# KiCad board espiff_v3_1.kicad_pcb (continued)
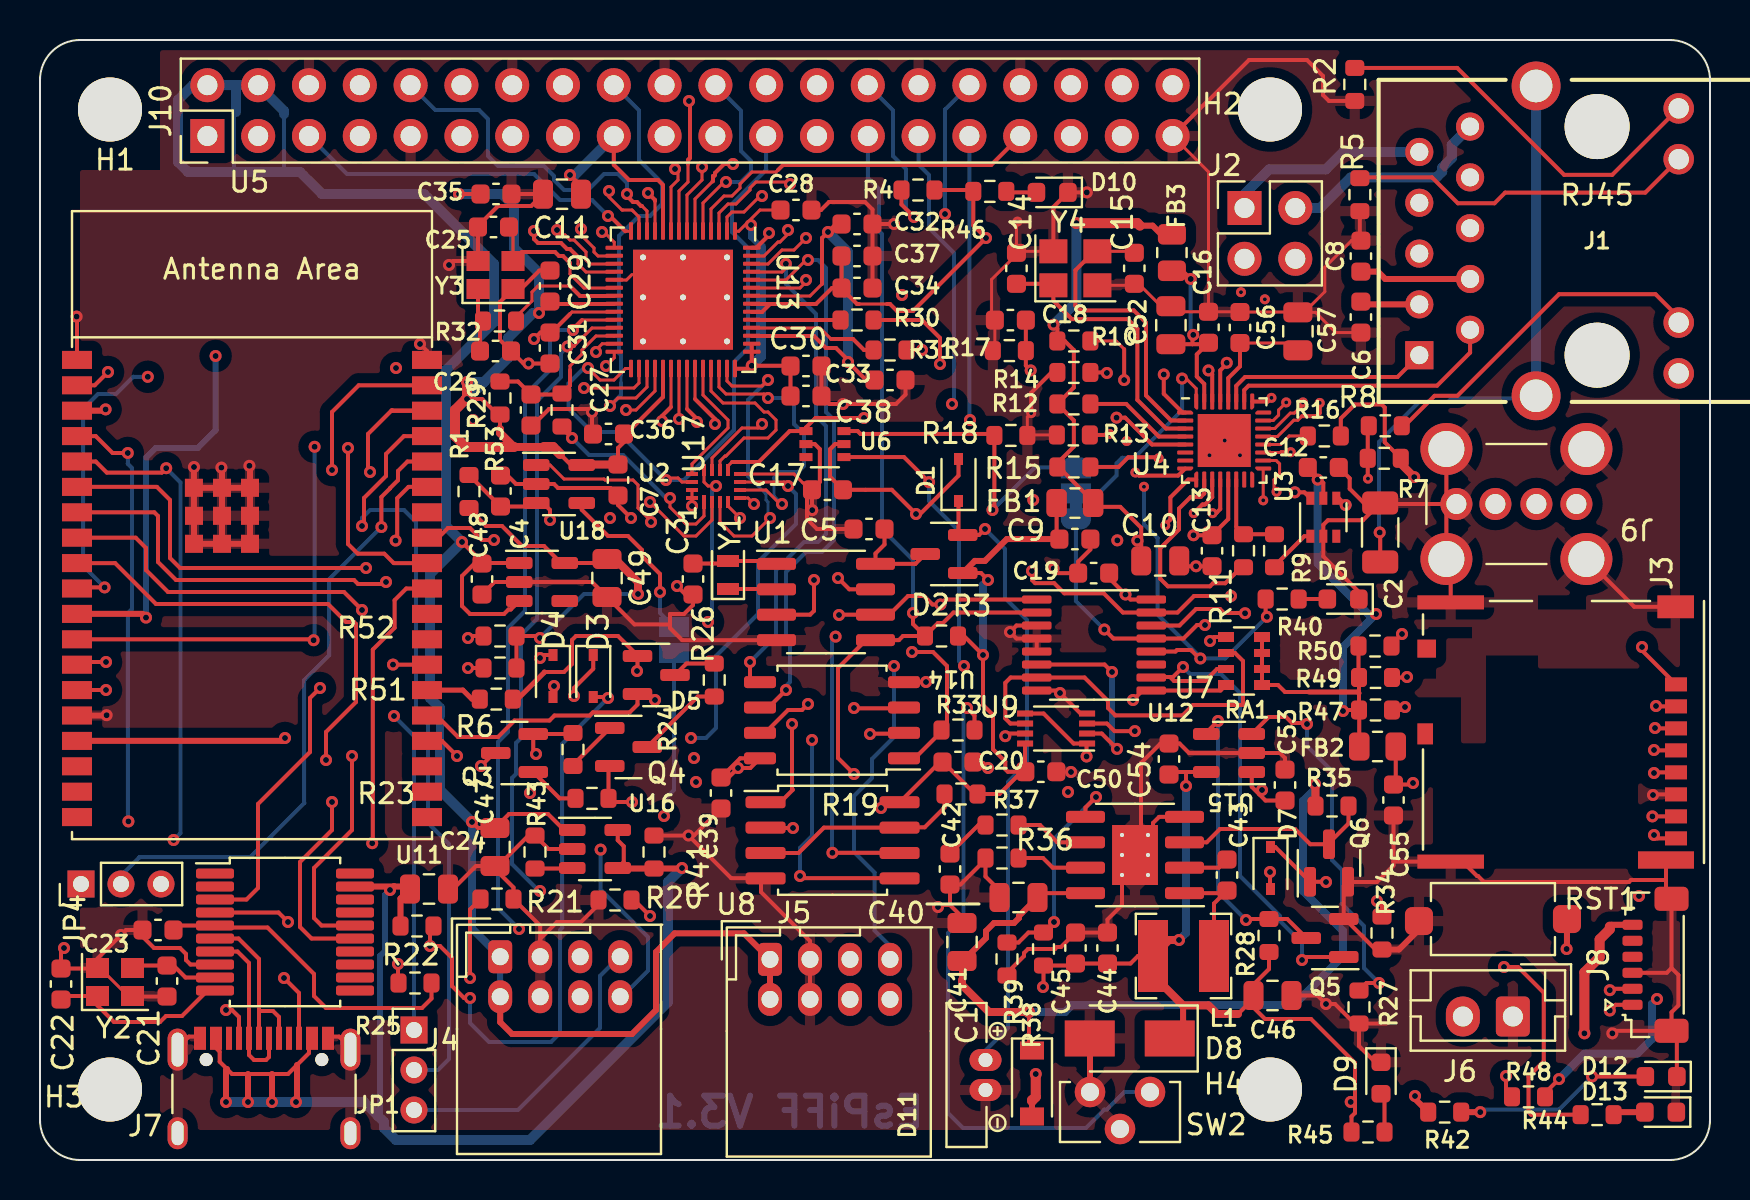
[diagram p0: board, top side]
## Routing (per net, layer and track width the routed paths; a pad name or vN(x,y) marks a point on that pad's centre or on a via; arc(x,y) is an arc through that point) (continued)
/Eth_MDC: length 62.7
  Top w0.15: 63,37.62 62.72,37.35 62.51,37.35 61.74,36.57 U4.22
  Top w0.2: v1(14.6,34.5) 14.6,37.4 15.94,38.73 U5.37 ; 63,37.62 63.15,37.78 v2(63.15,37.88)
  In2.Cu w0.2: v2(63.15,37.88) 63.15,37.19 62.59,36.63 56.06,36.63 54.65,35.23 47.92,35.23 47.7,35 45.8,35 45.65,35.15 30.7,35.15 28.9,33.35 19.8,33.35 18.15,35 16.04,35 15.47,34.43 14.67,34.43 v1(14.6,34.5)
/Eth_MDIO: length 67.3
  Top w0.15: U4.23 61.66,36.97 61.93,37.24 61.93,37.5 v2(62.31,37.88) ; R10.2 53.8,40.95 54.21,40.55
  Top w0.2: v1(54.21,39) 54.21,40.55 ; U5.30 17.69,29.84 17.22,30.31 15.88,30.31 15.4,30.8 v1(15.4,35.6)
  In2.Cu w0.2: v2(62.31,37.88) 62.31,37.68 61.7,37.07 55.45,37.07 v2(54.33,35.95) 54.33,35.75 54.36,35.72 47.71,35.72 47.49,35.5 46,35.5 45.8,35.7 30.5,35.7 28.65,33.85 20.1,33.85 18.35,35.6 v1(15.4,35.6)
  In3.Cu w0.2: v1(54.21,39) 54.64,38.56 54.64,36.38 54.33,36.08 v2(54.33,35.95)
/ETH_RefClock: length 2.5
  Top w0.2: R9.2 61.73,29.7 63.21,31.19 U3.1
/Eth_RXD0: length 86.4
  Top w0.15: U4.18 61.81,34.97 61.98,34.81 61.98,34.3 61.7,34.02 61.7,33.54 v2(61.83,33.41)
  Top w0.2: U5.10 1.91,28.63 v1(3.23,28.63)
  In2.Cu w0.2: v2(61.24,43.03) 60.86,43.03 60.48,42.65 44.58,42.65 44.2,42.27 40.53,42.27 40,42.8 36.7,42.8 35.7,43.8 24.6,43.8 24.4,43.6 20.9,43.6 19.8,42.5 19.8,41.9 19.5,41.6 18.1,41.6 15.68,39.18 5.41,39.18 v1(5.39,39.16)
  In3.Cu w0.2: v2(61.83,33.41) 61.83,35.75 60.81,36.76 60.81,42.6 v2(61.24,43.03)
  Bottom w0.2: v1(5.39,39.16) 4.66,39.16 3.8,38.3 2.9,38.3 2.16,37.56 2.16,29.7 v1(3.23,28.63)
/Eth_RXD1: length 86.3
  Top w0.15: U4.17 v2(61.16,32.98)
  Top w0.3: U5.11 5.12,27.3 v1(5.3,27.12)
  In2.Cu w0.2: v2(60.05,43.39) 59.85,43.19 44.58,43.19 43.67,44.1 40.1,44.1 39.2,43.2 37,43.2 35.9,44.3 24.3,44.3 24.1,44.1 20.6,44.1 19.3,42.8 19.3,42.2 19.2,42.1 17.9,42.1 16,40.2 v1(8.78,40.2)
  In3.Cu w0.2: v2(60.05,43.39) 60.3,43.14 60.3,36.48 61.16,35.62 v2(61.16,32.98)
  Bottom w0.3: v1(5.3,27.12) 5.3,35.11 5.79,35.6 7.89,35.6 8.78,36.49 v1(8.78,40.2)
/Eth_TX_EN: length 53.3
  Top w0.2: U4.5 55.6,35.77 54.26,37.12 v1(53.83,37.12) ; v1(17.78,30.97) 17.86,31.05 17.86,33.09 18.42,33.66 U5.33
  In2.Cu w0.2: v1(17.78,30.97) 19.55,29.2 31.1,29.2 31.4,29.5 32.5,29.5 33.1,28.9 37.3,28.9 38.2,29.8 47.1,29.8 47.6,30.3 53.18,30.3 v1(53.86,30.98)
  In3.Cu w0.2: v1(53.86,30.98) 52.66,32.19 52.66,36.41 53.37,37.12 v1(53.83,37.12)
/Eth_TXD0: length 41.8
  Top w0.2: U4.9 57.41,34.02 56.52,33.13 56.52,32.02 56.27,31.77 v2(56.27,31.73) ; v1(22.7,31) 22.1,31 21.5,31.6 20.4,31.6 19.91,31.12 U5.31
  In2.Cu w0.2: v2(56.27,31.73) 52.58,31.73 51.7,30.85 47.15,30.85 46.6,30.3 37.9,30.3 37.6,30 31,30 30.8,29.8 23.9,29.8 v1(22.7,31)
/Eth_TXD1: length 49.6
  Top w0.2: 17.6,37.5 17.63,37.47 U5.36 17.56,37.47 16.4,36.3 16.4,34.5 v1(16.5,34.4) ; U4.8 56.91,34.22 54.94,34.22 54.79,34.37
  In2.Cu w0.15: 54.72,34.37 45.75,34.37 45.42,34.7 45.4,34.7
  In2.Cu w0.2: v1(16.5,34.4) 18,34.4 19.55,32.85 29.15,32.85 31,34.7 45.4,34.7
  vias: v2(54.77,34.37)
/ethernet/PHY_AD0: length 15.6
  Top w0.2: U4.11 58.61,33.14 58.25,32.77 58.12,32.77 v2(57.69,32.34) ; v2(66.4,34.07) 66.39,34.08 R7.2 66.39,36.66 R8.2
  In2.Cu w0.2: v2(57.69,32.34) 58.45,31.58 65.13,31.58 66.3,32.75 66.3,33.97 v2(66.4,34.07)
/ethernet/PHY_AD3: length 50.4
  Top w0.2: 81.94,50.04 80.26,48.37 73.26,48.37 72.72,47.84 70.9,47.84 69.6,49.13 66.03,49.13 R5.2 ; U4.12 59.01,32.55 58.81,32.34 v2(58.63,32.34)
  In2.Cu w0.2: 81.94,50.04 73.74,41.85 73.74,41.36 70.64,38.26 69.45,38.26 63.38,32.19 58.78,32.19 v2(58.63,32.34)
/ethernet/RD+: length 10.6
  Top w0.2: J1.1 67.87,39.15 60.25,39.15 59.81,38.71 U4.27
/ethernet/RD-: length 13.8
  Top w0.2: U4.26 60.21,38.5 60.43,38.72 69.85,38.72 71.5,40.37 71.5,41.51
/ethernet/TD+: length 14.9
  Top w0.2: v1(58.42,39.48) 58.61,39.29 U4.30
  In2.Cu w0.2: v1(58.42,39.48) 58.42,39.96 58.98,40.52 61.57,40.52 66.37,45.32 68.97,45.32
/ethernet/TD-: length 17.4
  Top w0.2: v1(59.34,39.86) 59.34,39.81 59.01,39.48 U4.29
  In2.Cu w0.2: 59.31,39.89 61.62,39.89 65.82,44.08 69.65,44.08 70.39,44.81 70.39,45.47 71.5,46.59
/GPIO0: length 50.6
  Top w0.2: U3.4 64.94,33.09 v1(65.28,32.75) ; 25.22,24.4 26.2,24.4 26.6,24.8 26.6,26 26.8,26.2 28.9,26.2 29.88,25.23 D5.1 29.88,24.48 v1(29.85,24.45)
  Top w0.25: R6.1 23.88,23.05 25.22,24.39 25.22,24.4
  In4.Cu w0.2: v1(65.28,32.75) 61.85,29.32 59.06,29.32 57.15,27.41 52.96,27.41 52.2,26.65 52.2,26.3 50.5,26.3 49.65,25.45 49.55,25.45 48.5,24.4 47.37,24.4 46.07,23.1 42.9,23.1 41.7,24.3 37.2,24.3 36.8,23.9 30.4,23.9 v1(29.85,24.45)
/GPIO2: length 45.6
  Top w0.2: v1(44.45,33.89) 43.2,35.15 U6.4 ; U5.24 19.83,22.23 20.9,21.15 22.9,21.15 23.73,21.98 25.48,21.98 25.73,22.23 27.48,22.23 27.64,22.38 29.48,22.38 29.88,22.77 D5.2 30.45,23.3 v1(30.75,23)
  In2.Cu w0.2: v1(30.75,23) 32,23 34.65,25.65 37.55,25.65 38.35,24.85 38.7,24.85 39,24.55 39,24.45 39.2,24.25 41.35,24.25 41.85,23.75 43,23.75 43.95,24.7 v1(46.2,24.7)
  Bottom w0.2: v1(46.2,24.7) 45.95,24.95 45.95,31.45 44.45,32.95 v1(44.45,33.89)
/HF_MISO: length 28.6
  In2.Cu w0.2: JP4.3 6.05,15.05 5.5,15.6 5.5,16.2 6.2,16.9 13,16.9 15.6,14.3 25.3,14.3 27,12.6 27,12.4 27.01,12.39 J4.5
/HF_MOSI: length 15
  Bottom w0.2: JP1.3 23.9,2.5 28,6.6 28,9.2 28.96,10.16 J4.7
/pico_SWCLK: length 54.3
  Top w0.15: 28.71,42 27.1,42
  Top w0.2: v1(26.65,41.5) 26.65,41.55 27.1,42
  In3.Cu w0.2: J5.6 39.5,9.03 39.5,11.2 38.85,11.85 31.75,11.85 31.25,11.35 30.05,11.35 29.85,11.55 v1(23.95,11.55)
  Bottom w0.2: v1(26.65,41.5) 25.95,41.5 25.5,41.05 25.5,39.5 24.25,38.25 24.25,27.45 23.4,26.6 23.4,21.4 22.9,20.9 22.9,12.6 v1(23.95,11.55)
/pico_SWDIO: length 56
  Top w0.15: 26.7,40.7 27.6,41.6 28.71,41.6
  Top w0.2: 26.7,40.7 26.4,40.7
  In3.Cu w0.2: J5.8 43.18,8.03 43.95,8.8 43.95,11.7 42.2,13.45 v1(25,13.45)
  Bottom w0.2: v1(25,13.45) 24.95,13.45 23.6,14.8 23.6,19.1 23.8,19.3 23.8,20.85 24.05,21.1 24.05,26.25 24.85,27.05 24.85,37.95 26.05,39.15 26.05,40.35 v1(26.38,40.67)
/psu/EN_ESIB: length 10.1
  Top w0.2: R35.2 65.42,16.83 64.45,15.85 Q6.3 63.51,15.79 62.75,16.55 59,16.55 58.33,15.89 U15.3
/raspi_header/Pi_GPIO2_SDA: length 55.6
  Top w0.15: U13.13 29.95,47.15 29.6,47.5 29.1,47.5 28.45,48.15 v1(28.45,48.45)
  Top w0.2: R51.2 v1(21.4,24.6)
  In2.Cu w0.2: J10.3 13.06,49.05 16.45,49.05 16.75,48.75 18.55,48.75 20.3,47 21.9,47 22.8,47.9 27.7,47.9 28.25,48.45 v1(28.45,48.45)
  In3.Cu w0.2: v1(21.4,24.6) 20.5,24.6 19.8,25.3 19.8,36.82 18.12,38.5 17.2,38.5 16.7,39 16.7,41.5 10.91,47.29 J10.3
/raspi_header/Pi_GPIO3_SCL: length 47.4
  Top w0.15: 29.55,46.44 29.26,46.44
  Top w0.2: v1(21.4,26.1) 21.5,26.2 R52.2 ; 29.26,46.44 28.5,47.2 v1(28.4,47.2)
  In3.Cu w0.2: v1(28.4,47.2) 28.1,47.5 24.6,47.5 24,46.9 24,45.9 24.5,45.4 24.8,45.4 26,44.2 26,42.2 25.5,41.7 25.5,35.1 22,31.6 22,29.9 21.65,29.55 21.65,26.35 v1(21.4,26.1)
  Bottom w0.2: J10.5 15.35,49.3 24.7,49.3 26,48 27.6,48 v1(28.4,47.2)
/raspi_header/Pi_GPIO4_CLK0: length 39.1
  Top w0.15: 31.95,39.56 v1(31.95,37.05)
  In2.Cu w0.2: 32,37 31.23,37.77 30.62,37.77 28.2,35.35 23.05,35.35 22.5,35.9 22.5,38.9 21.8,39.6 v1(17.8,39.6)
  In3.Cu w0.2: J10.7 18.89,48.3 19.7,48.3 20.5,47.5 20.5,47 21.7,45.8 21.65,45.75 21.65,40.85 20.4,39.6 v1(17.8,39.6)
/raspi_header/Pi_GPIO5_CLK1: length 32.9
  Top w0.15: 32.35,39.56 32.35,37.55
  Top w0.2: 32.35,37.55 32.85,37.05 v1(32.85,36.9)
  In2.Cu w0.2: v1(32.85,36.9) 34.8,38.85 34.8,39.8 35.4,40.4 36.6,40.4 38.1,38.9 43.2,38.9 44.3,37.8 v1(45.6,37.8)
  Bottom w0.2: v1(45.6,37.8) 45.7,37.9 45.7,45.35 44.45,46.6 44.45,49.25 43.93,49.77 J10.29
/raspi_header/Pi_GPIO6_CLK2: length 31.5
  Top w0.15: 32.75,39.56 32.75,38.05
  Top w0.2: 32.75,38.05 33.75,37.05 33.75,36.85
  In2.Cu w0.2: v1(46.5,37) 43.7,37 42.2,38.5 38.9,38.5 37.8,37.4 36.3,37.4 36.2,37.5 35,37.5 34.3,36.8 v1(33.75,36.8)
  Bottom w0.2: J10.31 46.47,37.03 v1(46.5,37)
/raspi_header/Pi_GPIO7_~{CS1}: length 33.8
  Top w0.15: 28.71,45.2 27.9,45.2 27.7,45.4 27.7,45.6 27.05,46.25 v1(27.05,46.55)
  In3.Cu w0.2: J10.26 40.1,52.49 40.1,50 40.55,49.55 41.55,49.55 41.8,49.3 41.8,44.55 v1(43.1,43.25)
  In4.Cu w0.2: v1(43.1,43.25) 37.2,43.25 35.9,44.55 35.9,45 35.05,45.85 35.05,46.05 29.55,46.05 29.2,45.7 27.25,45.7 27.05,45.9 v1(27.05,46.55)
/raspi_header/Pi_GPIO8_~{CS0}: length 43.5
  Top w0.15: U17.2 33.6,32 32.8,31.2 32.2,31.2 v1(30.5,32.9) ; v1(28.3,39.7) 28.71,40.11 U13.28
  In3.Cu w0.2: J10.24 37.6,52.45 37.6,50.2 36.9,49.5 36,49.5 34.7,48.2 34.7,46.5 35.7,45.5 35.7,44.9 36.95,43.65 36.95,40.15 37.5,39.6 37.5,36.7 36.5,35.7 35.7,35.7 34.9,36.5 34.9,37.1 34.4,37.6 29.9,37.6 ; 29.9,37.6 29.9,38.1 29.4,38.6 28.9,38.6 28.3,39.2 v1(28.3,39.7) ; 29.9,37.6 29.9,33.5 v1(30.5,32.9)
/raspi_header/Pi_GPIO9_MISO0: length 40.2
  Top w0.15: U13.30 29.95,38.85 29.7,38.6 27.4,38.6 ; v1(36.1,36.8) 35.9,36.6 35.1,36.6 33.6,35.1 U17.11
  Top w0.2: 27.4,38.6 v1(27.2,38.6)
  In3.Cu w0.2: J10.21 33.3,51.2 32.4,50.3 32.4,46.9 31.8,46.3 29.8,46.3 28.7,45.2 28.7,40.5 29.8,39.4 33.5,39.4 v1(36.1,36.8)
  In4.Cu w0.2: v1(27.2,38.6) 34.3,38.6 v1(36.1,36.8)
/raspi_header/Pi_GPIO10_MOSI0: length 34.8
  Top w0.15: v1(27.8,40.4) 27.8,40.5 28.11,40.81 U13.27 ; U17.5 35.4,33.1 v1(35.7,32.8)
  In3.Cu w0.2: J10.19 30.8,50.77 30.8,49.3 31.2,48.9 31.2,47.9 30.8,47.5 29.6,47.5 29.2,47.1 29.2,46.4 27.8,45 v1(27.8,40.4)
  In4.Cu w0.2: v1(35.7,32.8) 34.8,33.7 34.8,37.2 34,38 30.7,38 30.3,37.6 30.3,37.1 29.8,36.6 27.25,36.6 26.95,36.9 26.3,36.9 25.7,37.5 25.7,38.5 26.2,39 26.2,39.4 27.2,40.4 v1(27.8,40.4)
/raspi_header/Pi_GPIO11_SCK0: length 33.4
  Top w0.15: U13.29 29.27,39.58 28.7,39 28,39 v1(27.4,39.6) ; v1(31.3,34) 31.4,34.1 31.9,34.1 32.1,33.9 U17.14
  Bottom w0.2: v1(27.4,39.6) 27.2,39.6 26.42,38.83 26.42,37.58 27.6,36.4 28.9,36.4 v1(31.3,34) 32.2,34 34.7,36.5 34.7,39.9 35.4,40.6 35.4,45.6 34.6,46.4 34.6,47.8 36.31,49.51 J10.23
/raspi_header/Pi_GPIO12_PWM0: length 20.5
  Top w0.15: 33.95,46.44 33.95,47.35 34.4,47.8 34.8,47.8 35.5,48.5 35.5,48.6 35.8,48.9 37.4,48.9 v1(37.5,48.8)
  In4.Cu w0.2: v1(45.25,47.3) 43.75,48.8 v1(37.5,48.8)
  Bottom w0.2: J10.32 45.25,52.52 v1(45.25,47.3)
/raspi_header/Pi_GPIO13_PWM1: length 18.2
  Top w0.15: 33.55,46.44 33.55,47.55 34.2,48.2 34.6,48.2 35,48.6 35,48.8 35.6,49.4 36.8,49.4 36.9,49.5
  Top w0.2: J10.33 47.56,49.75 37.15,49.75 36.9,49.5
/raspi_header/Pi_GPIO14_TXD: length 21.9
  Top w0.15: 30.75,46.44 30.75,47.95
  Top w0.2: 30.75,47.95 30.75,48 v1(30.4,48.35)
  In2.Cu w0.2: J10.8 17.25,52.48 17.25,49.8 17.62,49.42 18.67,49.42 20.55,47.55 21.6,47.55 22.5,48.45 27.2,48.45 28.05,49.3 29.7,49.3 30.4,48.6 v1(30.4,48.35)
/raspi_header/Pi_GPIO15_RXD: length 17.7
  Top w0.15: 30.35,46.44 30.35,47.45 30.1,47.7
  Top w0.2: v1(29.35,48.3) 29.35,48.2 29.65,47.9 29.85,47.9 30.05,47.7 30.1,47.7
  Bottom w0.2: J10.10 19.77,52.5 21.95,52.5 22.4,52.05 22.4,50.2 22.9,49.7 25.2,49.7 25.7,49.2 25.7,49 26.2,48.5 27.4,48.5 28.2,49.3 28.9,49.3 29.35,48.85 v1(29.35,48.3)
/raspi_header/Pi_GPIO16: length 24.4
  Top w0.15: 32.75,46.44 32.75,48.05 33.62,48.92
  Top w0.2: 33.62,48.92 33.65,48.95 33.65,49.2 33.7,49.2 33.75,49.25 33.75,49.35 34.2,49.8 v1(34.65,49.8)
  In2.Cu w0.2: v1(34.65,49.8) 34.85,49.6 37,49.6 37.05,49.65 49.55,49.65 50.3,50.4 50.3,52.2 50.4,52.3 50.4,52.59 J10.36
/raspi_header/Pi_GPIO17: length 18.9
  Top w0.15: 32.4,49.8 32.4,48.9 31.95,48.45 U13.8
  Top w0.2: 32.4,49.8 32.4,50 32.5,50.1 32.5,52.9 v1(32.45,52.95)
  In3.Cu w0.2: v1(32.45,52.95) 31.95,52.45 22.32,52.45 J10.11
/raspi_header/Pi_GPIO18_PWM0: length 22.8
  Top w0.15: v1(36.1,48.2) 36,48.2 35.2,47.4 34.6,47.4 34.35,47.15 34.35,46.44
  In4.Cu w0.2: v1(36.1,48.2) 35.3,47.4 29.35,47.4 29.35,47.4 29.16,47.4 28.71,47.85 23.7,47.85 22.35,49.2 22.35,52.46 J10.12
/raspi_header/Pi_GPIO19_MISO1: length 43.2
  Top w0.15: 26.9,45.15 26.9,44.8 27.3,44.4 28.71,44.4
  Top w0.2: 26.9,45.15 26.5,45.55 26.35,45.55 26.05,45.85 24.9,45.85 24.7,46.05 v1(24.7,46.45)
  In4.Cu w0.2: v1(24.7,46.45) 24.7,45.6 25.2,45.1 25.2,43.05 26.03,42.22 47.58,42.22 47.7,42.1 48.95,42.1 50.45,43.6 50.45,47.95 51.55,49.05 J10.35
/raspi_header/Pi_GPIO20_MOSI1: length 32.5
  Top w0.15: v1(28.1,46.4) 28.2,46.4 28.71,45.89 28.71,45.6
  In2.Cu w0.2: J10.38 52.8,52.45 52.8,49.7 52.15,49.05 39.25,49.05 38.3,48.1 37.2,48.1 36.35,48.95 35.6,48.95 34.85,48.2 31.45,48.2 31.15,47.9 31.15,47.85 30.85,47.55 29.75,47.55 28.6,46.4 v1(28.1,46.4)
/raspi_header/Pi_GPIO21_SCK1: length 43.5
  Top w0.15: v1(25.85,46.5) 26.1,46.25 26.25,46.25 26.5,46 26.7,46 27.3,45.4 27.3,45 27.5,44.8 28.71,44.8
  In2.Cu w0.2: v1(25.85,46.5) 25.85,46.05 26.15,45.75 28.75,45.75 30.05,47.05 31.15,47.05 31.65,47.55 38.6,47.55 39.5,48.45 51,48.45 51.85,47.6 52.9,47.6 54.05,48.75 56.65,48.75 58.3,50.4 58.3,52.07 J10.40
/raspi_header/Pi_GPIO22: length 11.7
  Top w0.15: 33.1,49.4 33.1,49 32.35,48.25 32.35,46.44
  Top w0.2: 33.1,49.4 v1(33.1,49.65)
  In4.Cu w0.2: J10.15 28.3,49.05 31.2,49.05 31.45,48.8 32.5,48.8 33.1,49.4
/raspi_header/Pi_GPIO23: length 11.8
  Top w0.15: 31.55,46.44 31.55,48.65 31.9,49 31.9,49.4 31.8,49.5
  Top w0.2: 31.8,49.5 v1(31.75,49.55)
  In2.Cu w0.2: v1(31.75,49.55) 31.45,49.85 28.05,49.85 27.45,50.45 27.45,52.44 J10.16
/raspi_header/Pi_GPIO24: length 21.7
  Top w0.15: v1(28.5,37.7) 28.9,38.1 29.8,38.1 30.35,38.65 30.35,39.56
  Bottom w0.15: 29.05,39.25 29.05,38.85
  Bottom w0.2: v1(28.5,37.7) 29.05,38.25 29.05,38.85 ; J10.18 29.95,52.48 29.95,50 31.1,48.85 31.1,47.8 30.5,47.2 29.95,47.2 28.95,46.2 28.95,40.35 29.05,40.25 29.05,39.25
/raspi_header/Pi_GPIO25: length 9.5
  Top w0.15: 33.15,46.44 33.15,47.85 34.2,48.9 v1(34.3,48.9)
  Bottom w0.2: v1(34.3,48.9) 35.05,48.9 35.55,49.4 35.55,49.95 35.05,50.45 35.05,52.46 J10.22
/raspi_header/Pi_GPIO26: length 52
  Top w0.15: 30.75,39.56 30.75,38.45 29.8,37.5 v1(29.3,37.5)
  In3.Cu w0.2: v1(29.3,37.5) 28.55,36.75 28.55,32.15 v1(28.5,32.1) ; v1(49.66,33) 50.42,33 51.44,34.02 51.44,39.35 54.09,42 J10.37
  In4.Cu w0.2: v1(28.5,32.1) 29.65,30.95 44.55,30.95 47.02,33.42 48.05,33.42 48.46,33 v1(49.66,33)
/raspi_header/Pi_GPIO27: length 30
  Top w0.15: 31.55,39.56 31.55,37.65
  Top w0.2: v1(31.1,36.95) 31.1,37.2 31.55,37.65
  In2.Cu w0.2: v1(31.1,36.95) 30.4,36.95 28.3,34.85 22.2,34.85 21.65,35.4 v1(21.65,37)
  In3.Cu w0.2: v1(21.65,37) 22.2,37.55 22.2,49 23.3,50.1 23.3,50.89 J10.13
/raspi_header/QSPI_SCK: length 29.1
  Top w0.15: v1(38.4,45) 38.3,45 37.3,44 35.59,44
  Top w0.2: v1(37.3,23.5) 36.39,22.59 35.75,22.59
  Bottom w0.2: v1(38.4,45) 38.9,45 39.3,44.6 39.3,37.4 39.7,37 39.7,31 39.1,30.4 38.3,30.4 37.3,29.4 37.3,26 37.5,25.8 37.5,23.9 37.3,23.7 v1(37.3,23.5)
/raspi_header/QSPI_~{SS}: length 40.9
  Top w0.2: v1(43.6,25.4) 44.65,25.4 45.35,24.7 45.35,21.77 R33.1 45.08,21.42 43.73,20.09 U14.1 ; U13.56 35.81,45.61 36.45,46.25 v1(36.45,46.35)
  In3.Cu w0.2: v1(43.6,25.4) 42.8,26.2 42.8,32.9 43.2,33.3 43.23,33.3 43.69,33.76 43.69,36.99 45.9,39.2 45.9,40.4 44.77,41.53 44.77,41.63 44.1,42.3 42.9,42.3 41.3,43.9 41.3,46.7 40.2,47.8 37.3,47.8 36.5,47 36.5,46.4 v1(36.45,46.35)
/raspi_header/SPI2ESP_~{CS}: length 32.1
  Top w0.15: U17.4 34.4,32.7 v1(35,32.1)
  Top w0.2: U9.7 48.39,21.32 v1(48.26,21.19)
  In2.Cu w0.2: v1(32.7,20.1) 33,20.4 36.1,20.4 36.4,20.1 39.2,20.1 41.3,22.2 42.7,22.2 43.45,21.45 47.76,21.45 48.01,21.19 v1(48.26,21.19)
  In3.Cu w0.2: v1(32.7,20.1) 34,21.4 34,26.1 34.7,26.8 34.7,31.8 v1(35,32.1)
/raspi_header/~{USB_BOOT}: length 33.1
  Top w0.2: 46.72,21.5 46.72,22.23 v1(46.35,22.6)
  Bottom w0.2: v1(46.35,22.6) 46.18,22.43 46.18,12.12 45.4,11.35 45.4,2.35 46.15,1.6 52.3,1.6 53.22,2.52 53.34,2.52 54.22,3.4 SW2.2
/RTC_CLKOUT: length 46.2
  Top w0.2: v1(39.9,29.1) 40.47,28.53 41.78,28.53 ; v1(16.3,29.6) 7,29.6 6.5,30.1 6.5,33 5.84,33.66 U5.6
  In2.Cu w0.2: v1(16.3,29.6) 16.3,28.6 16.8,28.1 17,28.1 18.2,26.9 32,26.9 32.6,27.5 38.3,27.5 v1(39.9,29.1)
/RTC_VCC: length 4.6
  Top w0.2: 42.22,31.55 42.22,30.77 41.78,30.33 41.78,29.8 43.77,29.8 D2.3
/RTC_WTI: length 42.9
  Top w0.2: RA1.8 59.03,23.48 U7.9 55.12,23.48 v1(54.65,23)
  In2.Cu w0.2: v1(31.2,17.2) 31.2,16.3 32,15.5 33,15.5 33.8,16.3 33.8,16.8 34.5,17.5 40.8,17.5 41.4,16.9 49.1,16.9 50.6,18.4 v1(51.4,18.4)
  In3.Cu w0.2: v1(51.4,18.4) 51.8,18.4 53.05,19.65 53.05,21.4 v1(54.65,23)
  Bottom w0.2: JP2.2 31.7,18.5 31.2,18 v1(31.2,17.2)
/RTC_~{INT}: length 44.6
  Top w0.2: v1(17.3,28.9) 17.2,28.8 15.9,28.8 15.7,29 6.8,29 5.9,29.9 5.9,32.2 5.72,32.38 U5.7 ; U1.3 38.51,27.27 38.7,27.46 v1(38.7,29)
  In2.Cu w0.2: v1(17.3,28.9) 18.8,27.4 31.7,27.4 31.8,27.5 31.8,27.6 32.3,28.1 37.8,28.1 v1(38.7,29)
/SPI_MISO: length 79
  Top w0.15: U17.9 34.4,34.7 34.6,34.9
  Top w0.2: v1(41.2,37.1) 38.77,37.1 38.3,36.62 U6.1 37.48,36.45 35.94,34.9 34.6,34.9 ; J3.7 v1(80.62,17.18) ; v1(37.65,16.6) 36.08,16.6 36.05,16.63
  In3.Cu w0.2: v1(37.65,16.6) 37.65,18.55 36.8,19.4 36.8,22.1 37.9,23.2 37.9,23.3 38.45,23.85 38.45,27.25 37.65,28.05 37.65,29.05 38.4,29.8 39.6,29.8 40.45,30.65 40.45,32.45 40.3,32.6 40.3,33.9 41.2,34.8 v1(41.2,37.1)
  In4.Cu w0.2: v1(80.62,17.18) 60.98,17.18 60.61,17.55 50.45,17.55 49.5,16.6 44.75,16.6 44.24,16.09 41.96,16.09 41.45,16.6 v1(37.65,16.6)
/SPI_MOSI: length 117.7
  Top w0.15: v1(37.4,33.7) 37.2,33.9 U17.7
  Top w0.2: v1(68.25,22.65) 68.1,22.5 R47.2 ; v1(80.75,21.6) 80.77,21.58 J3.3 ; 43.25,14.09 38.11,14.09 v1(38,14.2) ; v1(20.85,20.2) 20.09,20.95 U5.23
  In2.Cu w0.2: v1(38.6,21) 32.65,21 v1(32.55,21.1) 24.25,21.1 23.65,20.5 21.15,20.5 v1(20.85,20.2) ; v1(68.25,22.65) 78.8,22.65 79.85,21.6 v1(80.75,21.6)
  In4.Cu w0.2: v1(80.75,21.6) 81,21.6 81.5,21.1 81.5,15.7 80,14.2 66.4,14.2 65.3,15.3 60.9,15.3 60.45,15.75 59.75,15.75 56.9,12.9 49.5,12.9 48.2,14.2 v1(38,14.2)
  Bottom w0.2: v1(32.55,21.1) 33.3,21.1 33.8,21.6 33.8,25.2 35.9,27.3 35.9,29.9 37.8,31.8 37.8,33.3 v1(37.4,33.7) ; v1(38.6,21) 38.6,16.2 38,15.6 v1(38,14.2)
/SPI_SCK: length 109.1
  Top w0.15: v1(33.8,33.7) 33.4,33.7 33.2,33.9 U17.12
  Top w0.2: 43.2,15.36 43.19,15.36 v1(39.62,15.36) ; J3.5 80.73,19.38 v1(80.7,19.35) ; v1(3.3,24.9) 1.98,24.9 U5.13
  In2.Cu w0.2: v1(80.7,19.35) 70.95,19.35 69.4,17.8 54,17.8 52.25,16.05 40.31,16.05 v1(39.62,15.36) ; v1(39.78,26.17) 39.75,26.2 39.2,26.2 38.5,26.9 v1(33.4,26.9)
  In4.Cu w0.2: v1(33.4,26.9) 32.8,26.3 30,26.3 26.2,30.1 17.3,30.1 17,30.4 15.2,30.4 9.7,24.9 v1(3.3,24.9)
  Bottom w0.2: v1(39.78,26.17) 39.6,25.99 39.6,15.38 v1(39.62,15.36) ; v1(33.4,26.9) 33.6,27.1 33.6,33.5 v1(33.8,33.7)
/TFT_MISO: length 110
  Top w0.2: v1(6.31,34.59) 6.09,34.37 3.34,34.37 2.78,34.92 U5.5 ; J8.2 78.56,8.56 v1(78.49,8.49)